# Allegro board RK3576_Template_LP5D315P132SD8_25x36_2400MHz_H1R6_V11_20240530YWQ.brd (continued)
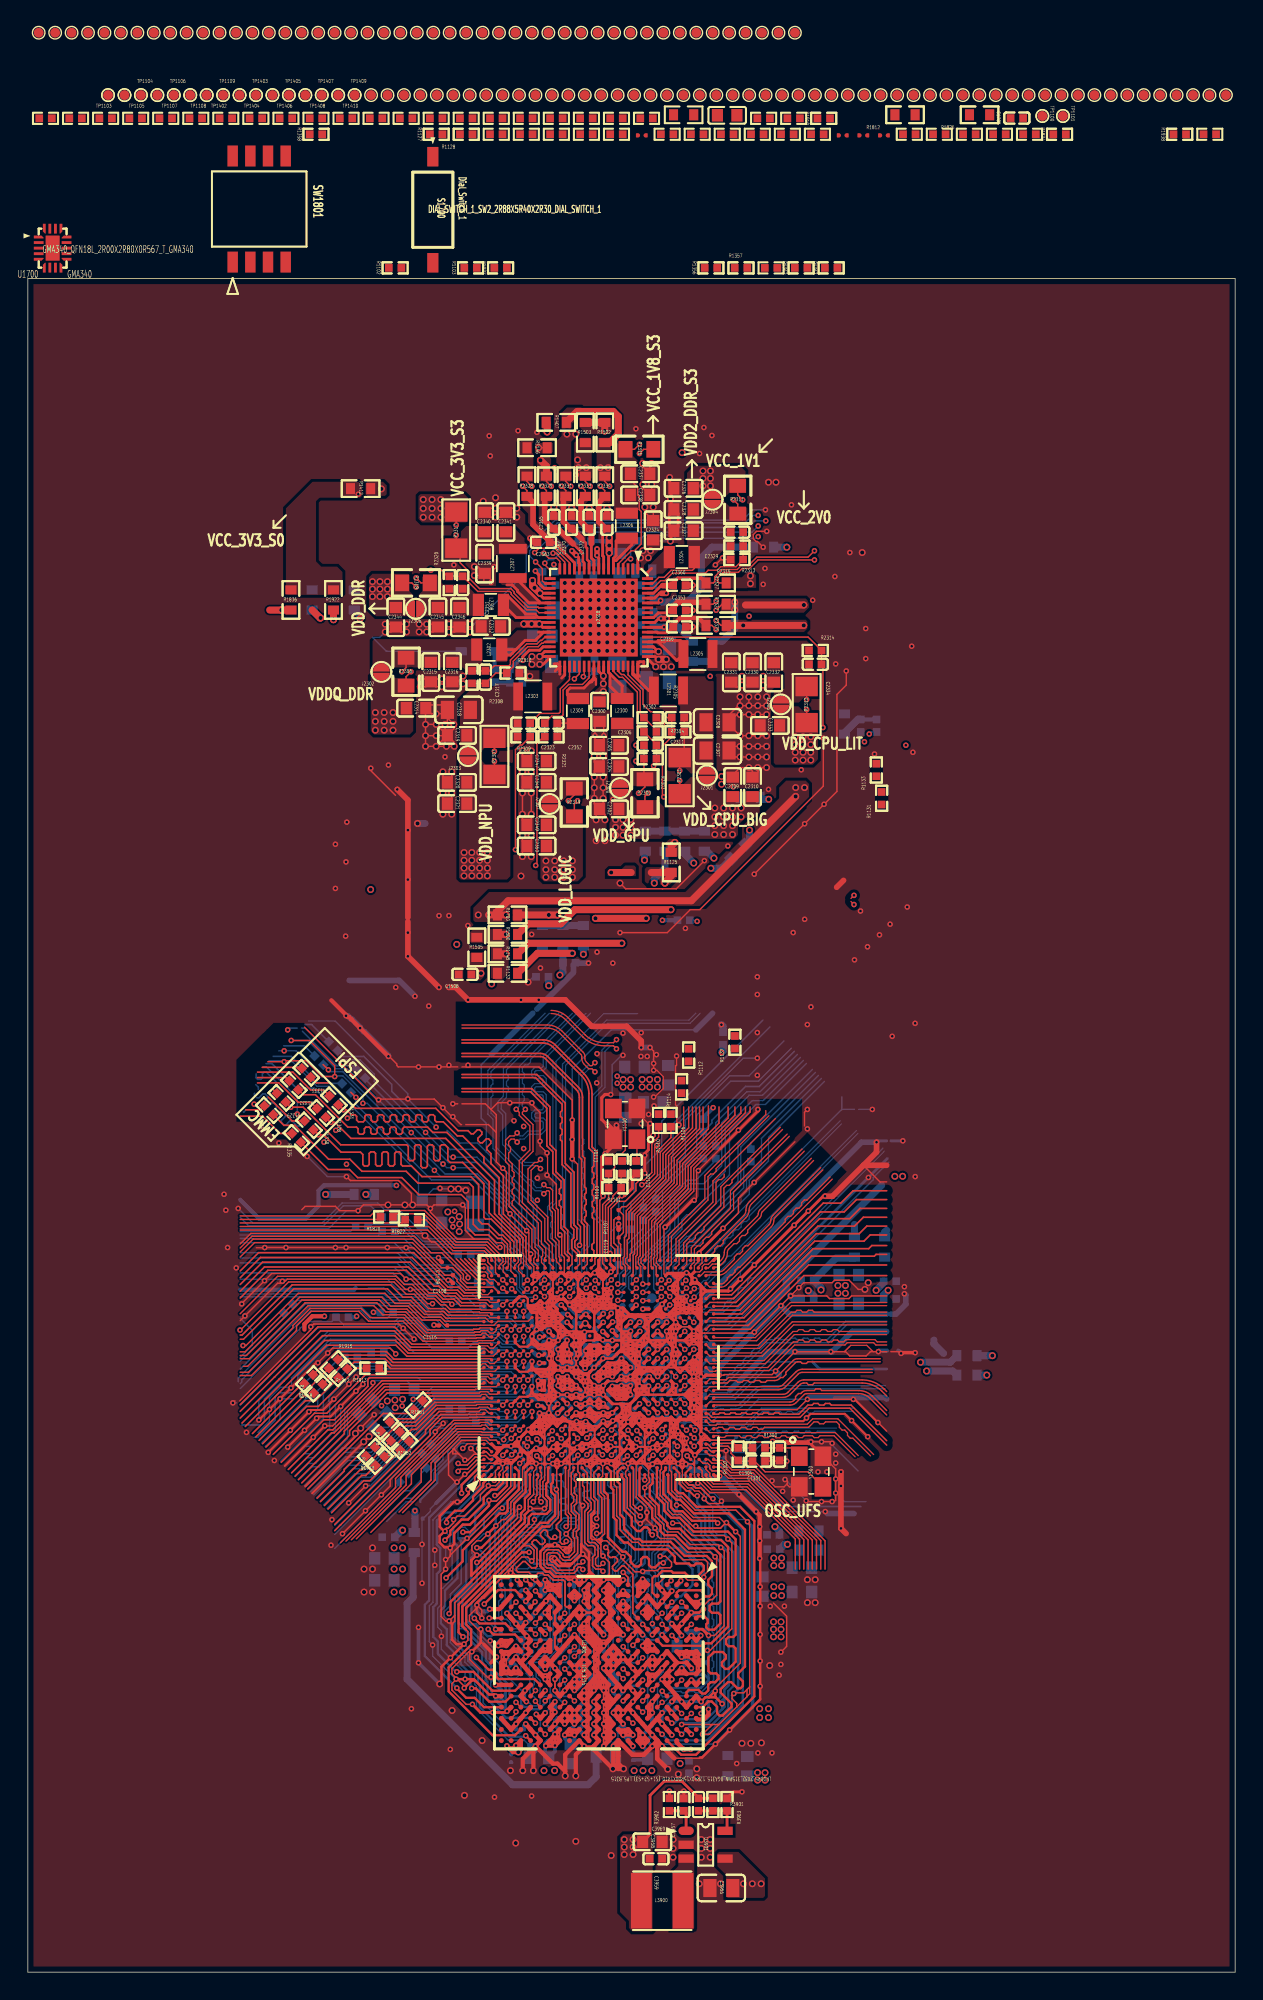
[diagram p0: board, top side]
## Routing (per net, layer and track width the routed paths; a pad name or vN(x,y) marks a point on that pad's centre or on a via; arc(x,y) is an arc through that point) (continued)
VCC5V0_SYS_S5: length 20
  TOP w0.203: 44.14,100.81 U2300.1 43.82,101.47 43.95,101.6 v2(44.02,101.6) ; U2300.33 37.12,94.86 v2(36.77,94.51) U2300.34 37.52,94.44 37.03,93.95 ; U2300.53 45.28,94.86 ; v2(45.11,93.78) 45.11,93.78 44.52,94.36 U2300.52 45.08,94.51 ; 45.53,99.05 45.38,99.05 45.04,98.71 U2300.64 ; U2300.43 41.02,93.44 v2(41.35,93.12) ; 45.33,94.87 v2(45.31,94.87) 45.28,94.87 44.94,95.21 U2300.54 ; U2300.28 36.99,96.61 v2(36.75,96.85) 36.86,96.96 U2300.27 ; U2300.7 41.72,101.9 v2(41.77,101.95) ; 41.37,92.91 U2300.44 ; U2300.21 36.8,99.06 v2(36.79,99.06) 36.79,98.94 37.03,98.71 U2300.22
  TOP w0.406: v1(45.87,99.05) 45.53,99.05
  TOP w0.508: v2(36.79,99.06) 36.79,99.06 v2(36.4,99.44) 36.4,99.44 36.26,99.59 v2(36.26,99.97) ; v2(36.75,96.85) v2(36.19,96.85) v2(35.63,96.85) ; v2(41.77,103.05) v2(41.77,102.49) v2(41.77,101.95) ; 45.79,94.31 45.28,94.31
  BOTTOM w0.305: v2(41.77,102.49) 41.45,102.81 R2324.1 ; 36.81,93.91 v2(36.77,93.95)
  vias: v2(36.22,94.51) v2(36.22,93.95) v2(41.35,92.56) v2(41.35,92) v2(44.19,102.12) v2(44.58,101.6) v2(44.74,102.12) v2(45.31,94.31) v2(45.67,93.78) v2(45.87,94.31) v2(46.23,93.78) v2(51.41,6.35) v2(52.05,6.35) v2(52.68,6.35)
VCC_1V1_NLDO_S3: length 3
  TOP w0.203: v1(40.89,101.78) 40.89,101.7 41.02,101.57 U2300.9 ; v1(39.4,101.79) 39.58,101.62 39.58,101.24 39.62,101.2 U2300.13
  TOP w0.381: v1(40.89,101.78) v1(40.89,102.23) ; v1(39.4,101.79) v1(39.09,102.11)
VCC_1V8_S3: length 31.2
  TOP w0.102: v1(43.94,109.09) 44.25,109.4 R2316.1
  TOP w0.508: v2(46.48,81.15) 46.23,80.9 R1125.2
  L4-SIG w0.508: v2(46.48,81.15) 46.86,81.53 46.86,84.78 45.85,85.79 45.85,86.74 47.24,88.14 47.24,95.26 47.05,95.45 47.05,109.11 v2(47,109.16)
  vias: v2(52.43,14.33) v2(52.43,13.79) v2(52.97,14.33) v2(52.97,13.79)
VCC_1V8_S3_P: length 8.3
  TOP w0.102: U2300.5 42.42,101.17 43.35,102.11 43.58,102.11 44.07,102.6 44.07,104.93 43.92,105.07 43.92,106.01 43.81,106.12 43.81,106.66 43.54,106.93 ; v1(43.94,109.75) 43.58,109.4 R2316.2
VCC_2V0_PLDO_S3: length 2.7
  TOP w0.203: v1(45.49,97.24) 45.32,97.24 45.04,96.96 U2300.59
  TOP w0.406: v1(45.94,97.24) v1(45.49,97.24)
  BOTTOM w0.406: v1(45.94,97.24) v1(45.49,97.24) 45.49,97.27 45.03,97.73 C2354.1
VCC_3V3_S0:
  vias: v1(23.75,106.17)
VCC_3V3_S3: length 1.5
  TOP w0.102: R2317.2 v1(30.78,103.95)
  TOP w0.203: R3902.1 v1(46.09,13.01)
  vias: v2(28.41,105.78) v2(28.41,105.15) v2(28.41,104.51) v2(29.04,105.78) v2(29.04,105.15) v2(29.04,104.51) v2(29.68,105.78) v2(29.68,105.15) v2(29.68,104.51)
VCC_3V3_S3_P: length 10.5
  TOP w0.102: R2317.1 v1(30.78,103.23) ; 31.06,102.66 31.06,101.25 31.68,100.63 31.68,100.16 32.45,99.39 34.7,99.39 34.93,99.16 34.93,99.06 35.93,98.07 36.65,98.07 36.71,98.01 36.71,98.01 U2300.24
VCCA1V8_PLDO2_S0: length 4.5
  TOP w0.203: v1(45.71,96.62) 45.7,96.61 U2300.58
  BOTTOM w0.508: C2355.1 45.1,96.62 v1(45.71,96.62) 46.75,96.62 R1147.2
VCCA1V8_PLDO6_S3: length 27.8
  TOP w0.203: U2300.20 37.08,99.41 36.71,99.78 36.71,100.37 36.47,100.62 v1(36.47,100.65)
  TOP w0.508: 43.34,78.99 v2(41.91,78.99)
  L4-SIG w0.508: v1(36.47,100.65) 37.97,99.14 37.97,82.93 v2(41.91,78.99)
  BOTTOM w0.406: v1(36.47,100.65) 36.95,100.65 C2357.1
VCCA_1V8_S0: length 23
  TOP w0.102: v1(49.45,97.84) 49.89,98.27 R2322.2
  TOP w0.508: 51.56,98.21 v2(55.75,98.21)
  L4-SIG w0.508: v2(50.79,98.42) v2(50.79,97.87) 50.79,96 48.6,93.82
  BOTTOM w0.508: v2(50.79,98.42) v2(50.79,97.87) 50.79,96.51 49.89,95.61 49.08,95.61 ; R1507.2 R1701.2 R1136.1 ; R1324.2 v2(68.9,42.89) ; R1119.1 R1501.2 R1602.2 R1506.2 ; R1409.2 61.56,53.15 61.7,53.3
  vias: v2(49.84,85.9) v2(49.84,85.34)
VCCA_1V8_S0_P: length 5.7
  TOP w0.102: v1(49.45,98.5) 49.23,98.27 R2322.1
  TOP w0.203: 46.1,97.83 45.92,97.65 45.3,97.65 44.96,97.31 U2300.60
  TOP w0.406: 46.1,97.83 C2353.1 46.37,98.06 46.71,98.41 48.59,98.41 R2322.1
VCCA_3V3_S0: length 51.9
  L4-SIG w0.508: 61.7,54.4 58.19,57.92 58.19,76.26 54.53,79.92 v2(54.53,102.36)
  BOTTOM w0.508: v2(54.53,102.36) 54.52,102.37 R2326.2
VCCA_3V3_S0_P: length 11.2
  TOP w0.203: v1(45.46,98.53) 45.29,98.36 U2300.63
  BOTTOM w0.406: C2358.1 44.99,98.68 45.14,98.53 v1(45.46,98.53)
  BOTTOM w0.508: R2326.1 49.15,102.37 48.39,101.6 48.39,99.44 47.37,98.42 45.56,98.42 v1(45.46,98.53)
VCCIO0_1V8: length 44.4
  TOP w0.203: U1000.1J20 v1(38.32,47.93)
  L4-SIG w0.203: 37.85,50.76 37.85,48.4 v1(38.32,47.93)
  L4-SIG w0.508: 37.85,50.76 37.85,51.3 36.58,52.58 36.58,54.19 35.43,55.34 35.43,57.28 33.99,58.72 33.99,71.19 32.81,72.36 32.28,72.36 v2(30.82,73.83) 28.7,75.95 28.7,86.38
  BOTTOM w0.305: v1(38.32,47.93) 38.3,47.92 C1308.1
  BOTTOM w0.508: R1346.1 23.88,97.43 v2(23.88,97.24)
VCCIO1: length 21.8
  TOP w0.203: U1000.2A8 37.03,44.32 v1(36.71,44.32)
  L4-SIG w0.178: v1(36.71,44.32) 36.62,44.32 36.24,44.7 32.68,44.7
  L4-SIG w0.508: v2(24.28,55.87) 24.28,50.59 30.17,44.7 32.68,44.7
  BOTTOM w0.305: v1(36.71,44.32) 36.54,44.32 C1309.1
  BOTTOM w0.508: v2(24.28,55.87) R1354.1
VCCIO2: length 20.8
  TOP w0.203: v1(36.64,40.7) 36.66,40.68 36.95,40.68 U1000.2A2
  L4-SIG w0.178: 33.4,40.89 33.64,41.14 36.18,41.14 36.61,40.7 v1(36.64,40.7)
  L4-SIG w0.508: 33.4,40.89 29.67,40.89 27.18,38.41 27.18,34.54 23.62,30.99
  BOTTOM w0.305: C1800.1 36.96,40.68 36.66,40.68 v1(36.64,40.7)
VCCIO3: length 41.7
  TOP w0.229: U1000.2B10 37.73,45.71 37.45,45.99 v1(37.45,46.03)
  L4-SIG w0.089: 37.08,45.3 37.12,45.34 37.12,45.71 v1(37.45,46.03) U1000.2B10 37.77,45.25 37.52,45 36.79,45
  L4-SIG w0.178: 32.83,45.4 33.25,44.98 36.77,44.98 37.08,45.3
  L4-SIG w0.508: 32.83,45.4 31.05,45.4 29.19,47.26 28.48,47.26 24.89,50.85 24.89,56.39 25.8,57.29 25.8,64.5 25.27,65.03 25.27,73.42
  BOTTOM w0.305: v1(37.45,46.03) 37.45,46.11 C1801.1
VCCIO4: length 73
  TOP w0.203: v1(36.76,43.76) U1000.2A7
  TOP w0.508: R1922.1 v2(21.96,97.16)
  L4-SIG w0.102: v1(36.76,43.76) 36.47,43.47 33.88,43.47 33.85,43.5
  L4-SIG w0.508: v2(21.96,97.16) 21.96,89.49 23.75,87.71 23.75,86.36 24.63,85.48 v2(24.63,77.77) 24.63,57.08 23.62,56.07 23.62,55.38 20.7,52.46 20.7,49.61 23.19,47.12 v1(23.62,47.12) 24.54,47.12 v1(24.83,47.4) 25.37,46.86 27.14,46.86 30.51,43.5 33.85,43.5
  BOTTOM w0.305: v1(24.83,47.4) 24.84,47.4 R1917.1 ; v1(23.62,47.12) 23.55,47.05 R1916.1 ; C1900.1 36.76,43.74 v1(36.76,43.76) 36.77,43.75 C1901.1
  BOTTOM w0.508: R1922.1 v2(21.96,97.16)
VCCIO5: length 79.2
  TOP w0.229: U1000.2A5 36.76,42.1 v1(36.76,41.96) ; U1000.2A5 37.12,42.32 37.1,42.29 37.1,41.83 U1000.2A4 36.91,41.81 v1(36.76,41.96) ; U1000.2A5 37.1,42.48 v1(36.66,42.48) 36.66,42.05 v1(36.76,41.96)
  TOP w0.305: v1(21.31,47.12) 20.44,47.12 19.87,46.55 19.87,46.16
  TOP w0.508: R1937.1 21,97.28 v2(21.03,97.28)
  L4-SIG w0.305: 28.65,42.99 36.15,42.99 v1(36.66,42.48)
  L4-SIG w0.508: v2(21.03,97.28) 21.03,88.44 22.58,86.89 22.58,83.97 23.62,82.93 23.62,68.58 22.99,67.94 22.99,62.64 23.88,61.75 23.88,57.19 22.99,56.3 22.99,55.61 20.09,52.71 20.09,48.34 v1(21.31,47.12) 22.83,45.6 26.04,45.6 28.65,42.99
  BOTTOM w0.305: C1902.1 36.86,42.68 v1(36.66,42.48) 36.66,42.05 v1(36.76,41.96) 36.76,41.91 C1903.1
  BOTTOM w0.508: v2(21.03,97.28) 21,97.28 R1937.1
VCCIO6: length 23.1
  TOP w0.229: U1000.2N3 v1(45.25,40.83)
  TOP w0.508: 17.38,97.85 v2(18.21,97.85) R1836.1
  L4-SIG w0.203: v1(45.25,40.83) 45.63,41.22 47.64,41.22 47.71,41.29 48.24,41.29 48.51,41.02 51.82,41.02
  L4-SIG w0.508: 61.7,48.02 58.6,44.91 58.6,44.5 57.23,43.13 57.2,43.13 55.09,41.02 51.82,41.02
  BOTTOM w0.229: v1(45.25,40.83) 45.5,41.09 C1802.1
  BOTTOM w0.508: R1836.1 v2(18.21,97.85)
VCCIO7_VCC: length 34.2
  TOP w0.229: U1000.2M3 v1(44.6,40.83)
  L4-SIG w0.089: 46.22,40.05 46.04,39.86 ; 46.22,40.05 46.41,39.86 ; 46.22,40.05 46.22,40.05 ; 46.04,39.86 46.23,39.86 ; 46.04,39.86 45.76,39.86 45.73,39.89 ; 46.99,40.51 46.86,40.38 ; 46.99,40.51 47.33,40.51 ; 46.99,40.51 46.86,40.51 ; 46.86,40.38 46.86,40.51 ; 46.86,40.38 46.86,40.33 ; 46.23,39.86 46.23,40.04 46.22,40.05 ; 46.23,39.86 46.41,39.86 ; 45.73,39.89 45.69,39.85 44.98,39.85 44.92,39.92 44.92,40.51 44.92,40.51 45.57,40.51 ; 45.73,39.89 45.57,40.05 45.57,40.51 ; 46.86,39.99 46.86,40.04 ; 46.86,39.99 46.86,39.86 ; 46.86,39.99 46.99,39.86 ; 46.86,40.04 46.87,40.05 46.87,40.32 46.86,40.33 ; 46.86,40.04 46.68,39.86 ; 46.23,40.51 46.35,40.51 ; 46.23,40.51 46.1,40.51 ; 46.23,40.51 46.23,40.32 46.22,40.32 ; 46.35,40.51 46.22,40.38 ; 46.35,40.51 46.68,40.51 ; 45.57,40.51 46.1,40.51 ; 46.41,39.86 46.68,39.86 ; 46.86,39.86 46.99,39.86 ; 46.86,39.86 46.68,39.86 ; 46.99,39.86 47.33,39.86 ; 47.33,39.86 47.62,39.86 ; 47.33,39.86 47.52,40.05 ; 47.62,39.86 47.52,39.96 47.52,40.05 ; 47.62,39.86 47.99,39.86 48.39,40.26 ; 46.1,40.51 46.22,40.39 46.22,40.38 ; 48.51,40.39 48.31,40.59 47.74,40.59 47.67,40.51 47.52,40.51 ; 46.86,40.33 46.68,40.51 ; 46.68,40.51 46.86,40.51 ; 47.33,40.51 47.52,40.32 ; 47.33,40.51 47.52,40.51 47.52,40.51 ; 47.52,40.32 47.52,40.51 ; 47.52,40.32 47.52,40.05 ; 46.22,40.38 46.22,40.32 ; 46.22,40.32 46.22,40.05
  L4-SIG w0.102: 48.39,40.26 48.51,40.39 49.73,40.39
  L4-SIG w0.33: v1(44.6,40.83) 44.92,40.51
  L4-SIG w0.508: 61.7,43.81 59.56,43.81 56.13,40.39 49.73,40.39 ; v2(64.14,43.81) 62.01,43.81
  BOTTOM w0.305: v1(44.6,40.83) 44.6,40.94 C1300.1
  BOTTOM w0.508: R1308.1 66.27,43.81 v2(64.14,43.81)
VCCIO_SD_S0: length 40.2
  TOP w0.102: R2327.2 49.65,99.79 49.55,99.9 49.55,100.16 49.95,100.56 51.05,100.56 51.33,100.84 51.85,100.84 52.46,101.45 v1(56.52,101.45)
  L4-SIG w0.508: 15.26,42.44 17.65,44.83 17.65,52.19 21.34,55.87 v2(21.39,55.87) 21.39,55.93 21.49,56.02 21.49,58.53 20.19,59.82 20.19,68.48 ; v2(51.91,99.74) v2(51.91,100.3)
  BOTTOM w0.508: v2(21.39,55.87) 21.39,55.87 R1354.2
VCCIO_SD_S0_P: length 13.8
  TOP w0.102: v1(56.52,102.11) 56.06,101.65 52.37,101.65 51.77,101.04 51.24,101.04 50.96,100.76 49.87,100.76 49.35,100.24 49.35,99.9 49.25,99.79 R2327.1
  TOP w0.203: U2300.65 44.96,99.06 45.5,99.6 45.61,99.6
  TOP w0.254: R2327.1 48.39,100.13 46.7,100.13 46.37,99.8 C2360.1
  TOP w0.406: 46.37,99.6 45.61,99.6
VDD1_1V8_DDR_S3: length 48.5
  TOP w0.305: U3900.C1 v1(46.91,28.13) ; 34.6,16.07 v1(34.42,16.26) ; 34.6,16.07 34.86,15.81 35.24,15.81 v2(35.24,15.81) 35.42,16 U3900.W15 v1(35.07,16.28) 34.86,16.07 34.6,16.07 ; v1(47.63,16.01) v1(47.12,16.01) 46.62,16.51 U3900.C15 ; v1(35.17,28.18) 35.42,27.93 U3900.W1
  TOP w0.406: v1(35.07,16.28) 35.07,16.01 35.21,15.87 35.21,15.84 v2(35.24,15.81)
  L4-SIG w0.089: 34.16,20.07 35.18,21.08 35.18,21.48 35.4,21.7 35.4,24.17 34.8,24.76 34.8,24.85 34.75,24.9 34.75,27.76 v1(35.17,28.18) ; v1(35.07,16.28) 34.75,16.61 34.75,17.96 34.32,18.39 34.28,18.39 34.16,18.51
  L4-SIG w0.102: 34.16,20.07 34.08,19.98 34.08,18.6 34.16,18.51
  L4-SIG w0.508: v1(47.12,16.01) v1(47.63,16.01) 48.18,16.01 50.44,18.27 50.44,19.51 50.04,19.92 50.04,26.11 48.02,28.13 v1(46.91,28.13)
  L6-SIG w0.508: v2(35.24,15.81) 35.26,15.81 35.67,15.41 46.52,15.41 v1(47.12,16.01)
  BOTTOM w0.254: v1(35.17,28.18) 35.27,28.08 C3905.1
  BOTTOM w0.305: C3903.1 46.91,28.02 v1(46.91,28.13)
  vias: v2(46.86,14.99)
VDD2_DDR_S3_P: length 5.7
  TOP w0.102: L2304.1 47.89,100.85 47.74,100.7 46.22,100.7 45.72,100.2 45.34,100.2 44.9,99.76 U2300.67 ; R2311.2 51,105.46 v1(50.7,105.77)
VDD2H_DDR_S3: length 174.1
  TOP w0.102: R2311.1 51,106.12 v1(51.36,105.77)
  TOP w0.127: 37.5,21.41 37.5,20.66 U3900.T10 ; 37.5,21.41 36.85,21.41 U3900.U9 ; 37.5,21.41 U3900.T9 ; U3900.L7 U3900.L8 41,22.21 41,21.46 U3900.L9 ; 41.37,21.03 v1(41.37,16.23) ; U3900.K3 41.75,26.21 41.75,25.46 U3900.K4 ; U3900.M3 U3900.M2 U3900.M1 ; U3900.N5 U3900.M5 U3900.M4 ; U3900.K13 41.7,18.26 41.7,19.01 U3900.K12 ; U3900.A8 48.05,22.21 48.05,21.46 U3900.A9 ; U3900.K10 U3900.K11 ; v1(34.37,22.63) v1(34.37,21.83) ; v1(39.97,27.43) v1(39.97,26.63) ; 40.67,23.43 40.67,21.03 ; U3900.M15 40.3,16.66 40.3,17.41 U3900.M14 40.3,17.46 40.3,18.21 U3900.M13 40.3,18.26 40.3,19.01 U3900.M12 40.3,19.06 40.3,19.81 U3900.M11 ; 44.55,21.41 44.55,20.66 U3900.F10 ; U3900.AA8 U3900.AA7 ; U3900.K5 41.78,24.57 41.78,23.9 U3900.K6 U3900.L6
  TOP w0.203: U3900.B9 U3900.A9
  TOP w0.229: U3900.W7 U3900.Y7 U3900.AA7 ; U3900.E9 45.2,21.41 44.55,21.41 U3900.F9 ; v1(48.37,21.83) v1(48.37,22.63) v1(47.67,22.63) v1(46.97,22.63) ; U3900.L7 U3900.L6 U3900.M6 U3900.M5 ; 42.07,24.23 v1(42.77,24.23) ; U3900.K4 U3900.K5 U3900.J5 ; U3900.K15 U3900.K14 U3900.K13 ; v1(44.17,23.43) v1(44.87,23.43) ; U3900.B9 U3900.C9 ; U3900.W9 U3900.Y9 U3900.AA9 ; U3900.A7 U3900.B7 U3900.C7 ; U3900.E7 45.2,23.06 44.55,23.06 U3900.F7 ; U3900.M11 U3900.M10 ; U3900.T7 U3900.U7 ; 40.67,23.43 40.67,24.23 ; U3900.K1 U3900.K2 U3900.K3 ; U3900.L9 U3900.L10 ; 40.67,21.03 v1(40.67,20.23) ; U3900.K12 U3900.K11
  TOP w0.305: v1(37.17,23.43) U3900.T7 U3900.T6 v1(37.17,23.43) ; v1(37.17,23.43) U3900.U7 ; v1(37.17,21.03) U3900.U9 36.55,21.76 U3900.V8 ; v1(37.17,21.03) U3900.T10 ; v1(37.17,21.03) U3900.T9 ; U3900.F10 v1(44.87,21.03)
  TOP w0.33: U3900.K15 v1(41.37,16.23) ; U3900.K15 v1(42.07,17.03) U3900.K14 ; U3900.K15 v1(41.37,17.03) U3900.K14 ; U3900.K4 v1(41.37,25.03) U3900.K5 ; U3900.K4 42.07,25.83 U3900.K3 ; U3900.K4 42.07,25.03 ; v1(34.37,21.83) U3900.AA9 U3900.AA8 ; v1(34.37,21.83) U3900.AA8 ; v1(34.37,21.83) U3900.Y9 v1(35.07,21.83) U3900.W9 ; 40.67,24.23 U3900.M5 ; 40.67,24.23 U3900.M6 ; 40.67,24.23 U3900.L6 ; U3900.M5 v1(39.97,25.03) ; U3900.M5 v1(39.97,24.23) ; 42.07,24.23 U3900.K6 v1(41.37,23.43) ; 42.07,24.23 U3900.J5 ; 42.07,24.23 U3900.K5 ; U3900.A8 v1(48.37,21.83) U3900.A9 ; U3900.A8 v1(47.67,22.63) ; U3900.A8 v1(48.37,22.63) U3900.A7 v1(47.67,22.63) ; U3900.M4 v1(39.97,25.03) ; v1(39.97,25.03) U3900.N5 v1(39.97,24.23) ; 41.37,21.03 U3900.L10 ; 41.37,21.03 U3900.L9 ; 41.37,21.03 U3900.K10 v1(41.37,20.23) ; U3900.L10 40.67,21.03 ; U3900.L10 v1(41.37,20.23) ; U3900.L10 v1(40.67,20.23) ; U3900.K3 v1(41.37,26.63) U3900.K2 ; U3900.K3 42.07,26.63 U3900.K2 ; U3900.K11 v1(41.37,20.23) ; U3900.K11 42.07,19.43 ; U3900.K11 v1(41.37,19.43) U3900.K12 ; U3900.K13 v1(41.37,17.83) U3900.K14 ; U3900.K13 42.07,17.83 U3900.K14 ; U3900.K13 v1(41.37,18.63) U3900.K12 ; U3900.F9 v1(44.87,21.03) U3900.E9 v1(45.57,21.83) U3900.D8 ; U3900.M1 v1(39.97,27.43) U3900.M2 v1(39.97,26.63) U3900.M3 ; U3900.B9 v1(46.97,21.83) U3900.C9 ; v1(47.67,22.63) U3900.B7 v1(46.97,22.63) U3900.C7 ; 42.07,19.43 U3900.J11 ; 42.07,19.43 U3900.K12 ; U3900.K2 v1(41.37,27.43) U3900.K1 42.07,27.43 U3900.K2 ; U3900.W7 35.09,23.41 v1(35.07,23.41) 35.05,23.41 U3900.Y7 v1(34.37,22.63) ; 42.07,25.03 U3900.J5 ; 42.07,25.03 U3900.K5 ; U3900.J5 v1(42.77,24.23) ; 40.67,21.03 U3900.M10 ; 40.67,21.03 U3900.L9 ; v1(41.37,23.43) U3900.L6 ; v1(41.37,23.43) U3900.L7 ; U3900.L6 40.67,23.43 ; v1(44.87,23.43) U3900.F7 v1(44.17,23.43) U3900.F6 v1(44.87,23.43) ; v1(44.87,23.43) U3900.E7 ; U3900.AA8 v1(34.37,22.63) ; v1(39.97,24.23) U3900.M6 ; U3900.M6 40.67,23.43 ; v1(39.97,19.43) U3900.N11 v1(39.97,20.23) ; v1(39.97,19.43) U3900.M11 ; v1(39.97,19.43) U3900.M12 v1(39.97,18.63) U3900.M13 v1(39.97,17.83) U3900.M14 v1(39.97,17.03) U3900.M15 ; U3900.M10 v1(39.97,20.23) ; U3900.M10 v1(40.67,20.23) ; v1(39.97,20.23) U3900.M11 ; U3900.L9 40.67,21.83 U3900.L8 40.67,22.63 U3900.L7 ; v1(40.67,20.23) U3900.M11 ; U3900.AA7 v1(34.37,22.63) ; 40.67,23.43 U3900.L7 ; U3900.U7 U3900.V8
  L3-POWER w0.33: v1(41.37,27.43) v1(41.37,26.63)
  BOTTOM w0.254: v1(39.97,27.43) 39.97,27.54 40.29,27.86 ; v1(39.97,27.43) v1(39.97,26.63) 40.06,26.63 C3946.1 40.29,27.12 ; v1(39.97,27.43) 40.29,27.12 ; v1(46.97,22.63) 47.19,22.42 C3950.1 ; v1(45.57,21.83) 45.57,21.61 C3951.1 44.99,21.03 v1(44.87,21.03) ; C3950.1 47.19,22.05 v1(46.97,21.83) ; C3950.1 47.27,22.23 v1(47.67,22.63) 47.67,23.04 C3928.1 48.37,23.08 v1(48.37,22.63) 48.37,22.47 C3938.1 48.37,22.01 v1(48.37,21.83) ; v1(41.37,25.03) 41.61,25.27 C3933.1 ; C3931.1 34.77,22.23 v1(34.37,22.63) 34.77,23.03 C3947.1 34.85,23.19 v1(35.07,23.41) ; C3931.1 35.07,22.02 v1(35.07,21.83) ; C3931.1 34.45,21.83 v1(34.37,21.83) ; 40.29,27.86 C3945.1 ; 40.29,27.86 40.29,27.12 ; v1(42.77,24.23) 42.6,24.06 C3935.1 ; C3942.1 44.87,23.29 v1(44.87,23.43) ; C3954.1 37.17,21.05 v1(37.17,21.03) ; C3948.1 40.2,24.81 v1(39.97,25.03) v1(39.97,24.23) 40.29,24.55 C3948.1
  BOTTOM w0.305: C3929.1 41.38,16.23 v1(41.37,16.23) ; C3929.1 41.45,17.03 41.39,17.03 ; C3929.1 41.81,16.78 v1(42.07,17.03) 41.81,17.29 C3940.1 ; C3940.1 41.75,17.46 v1(41.37,17.83) 41.45,17.83 C3937.1 41.81,18.2 v1(41.37,18.63) 41.37,18.67 C3952.1 41.72,19.08 v1(41.37,19.43) 41.68,19.74 C3932.1 ; C3940.1 41.39,17.03 ; C3944.1 36.77,23.11 37.09,23.43 v1(37.17,23.43) ; v1(41.37,23.43) 41.36,23.42 C3930.1 ; v1(39.97,18.63) 39.99,18.63 C3941.1 40.04,19.43 v1(39.97,19.43) 39.59,19.06 C3939.1 39.93,18.63 v1(39.97,18.63) ; v1(39.97,18.63) 39.61,18.27 C3936.1 39.97,17.89 v1(39.97,17.83) ; v1(39.97,18.63) 40.33,18.27 C3953.1 40.39,18.25 v1(39.97,17.83) ; v1(41.37,17.03) 41.39,17.03 ; v1(39.97,17.83) 40.35,17.46 C3943.1 39.97,17.04 v1(39.97,17.03) 39.59,17.41 C3934.1 39.63,17.5 v1(39.97,17.83) ; v1(46.97,21.83) 47.19,21.62 C3955.1
  BOTTOM w0.508: R3906.1 27.69,30.06 27.69,26.92 27.25,26.48 27.25,21.05 34.83,13.46 40.26,13.46 40.83,14.03 C3927.1
  vias: v2(48.5,107.84) v2(48.5,107.3) v2(48.5,106.77) v2(49.04,107.84) v2(49.04,107.3) v2(49.04,106.77) v2(53.57,25.16) v2(53.57,24.63) v2(53.57,24.09) v2(54.11,25.16) v2(54.11,24.63) v2(54.11,24.09)
VDD2L_0V9_DDR_S3: length 34.2
  TOP w0.127: U3900.P2 U3900.N2
  TOP w0.203: R3901.1 C3957.1 48.18,12.52 46.99,13.72 45.72,13.72 44.7,12.7 44.7,9.89 C3958.1 44.17,9.11
  TOP w0.229: U3900.AA6 U3900.Y6 ; U3900.J14 42.45,17.41 43.1,17.41 U3900.H14 ; 42.45,27.06 43.1,27.06 ; v1(33.8,23.46) 33.82,23.43 34.37,23.43 ; U3900.N14 39.6,17.41 38.95,17.41 U3900.P14 ; v1(39.27,17.03) v1(38.57,17.03) ; v1(42.77,17.03) v1(43.47,17.03)
  TOP w0.305: U3900.Y10 U3900.AA10 v1(33.61,20.63) ; v1(48.35,24.18) 48.35,24.16 U3900.A6 v1(47.67,24.18) U3900.B6 ; U3900.H2 v1(42.77,27.38) U3900.J2 ; 39.27,27.38 U3900.N2 v1(39.27,26.68) U3900.P2 39.27,27.38
  TOP w0.33: U3900.B10 v1(47.67,20.98) U3900.A10 v1(48.37,20.98) ; U3900.Y6 34.37,23.43 U3900.AA6 33.79,23.57 v1(33.8,23.46) ; v1(38.57,17.03) U3900.P14 v1(39.27,17.03) U3900.N14 ; v1(43.47,17.03) U3900.H14 v1(42.77,17.03) U3900.J14
  BOTTOM w0.254: 48.07,24.54 C3964.1 47.62,24.18 v1(47.67,24.18) ; v1(47.67,20.98) 47.79,20.98 C3962.1 48.22,20.98 v1(48.37,20.98) ; v1(43.47,17.03) 43.23,16.79 C3961.1 43.01,16.79 v1(42.77,17.03) ; C3967.1 v1(33.61,20.63) ; C3966.1 43.14,27.38 v1(42.77,27.38) ; v1(39.27,17.03) 39.27,16.63 C3960.1 38.57,16.82 v1(38.57,17.03)
  BOTTOM w0.305: v1(48.35,24.18) 48.1,24.43 C3963.1 47.72,24.18 v1(47.67,24.18) ; C3968.1 33.8,23.67 v1(33.8,23.46) ; C3965.1 39.23,26.72 v1(39.27,26.68)
  vias: v2(42.85,9.52) v2(42.85,8.99) v2(42.85,8.45) v2(43.48,9.52) v2(43.48,8.99) v2(43.48,8.45)
VDD_0V75_S3: length 0.9
  TOP w0.102: v1(36.21,106.74) 35.86,107.09 R2328.2
VDD_0V75_S3_P: length 7.6
  TOP w0.102: R2328.1 35.86,106.43 v1(35.55,106.74)
  TOP w0.203: U2300.14 39.27,101.25 37.8,102.71 C2363.1
  TOP w0.406: R2328.1 36.3,105.58 36.3,104 37.5,102.79 C2363.1
VDD_CPU_BIG_S0: length 122.4
  TOP w0.102: v1(45.69,84.43) 45.59,84.52 45.59,88.07 46.26,88.73 R2304.2 C2311.2 45.93,90.12 45.5,90.55 44.73,90.55 44.2,91.08 44.2,92.12 43.12,93.2 U2300.49 ; R2301.2 v1(46.83,85.59)
  TOP w0.178: v1(42,42.78) 42,42.78 v1(41.35,42.78) ; v1(42,43.43) v1(42.65,43.43)
  TOP w0.203: U1000.2K7 42.65,43.43 ; U1000.2K7 v1(42.65,44.08) ; U1000.2K7 43.3,43.43
  TOP w0.229: v1(41.37,43.36) 41.42,43.36 U1000.2H6 ; v1(41.37,43.36) 41.37,43.46 ; v1(41.37,43.36) 41.27,43.36 U1000.2G6 ; v1(41.37,43.36) 41.45,43.43 v1(42,43.43) ; U1000.2H6 v1(42,43.43) ; U1000.2H6 v1(42,42.78) U1000.2J6 ; U1000.2H6 U1000.2J6 ; U1000.2H6 v1(41.35,42.78) ; v1(42,43.43) U1000.2J7 ; v1(42,43.43) U1000.2H7 ; v1(42,43.43) U1000.2J6 ; U1000.2J6 v1(42.65,43.43) ; v1(42.65,43.43) U1000.2J7 ; v1(42.65,43.43) U1000.2K6 v1(43.3,43.43) 42.65,43.43 v1(42.65,43.43) ; v1(40.7,42.78) v1(41.35,42.78) ; v1(40.7,42.78) U1000.2G5 v1(41.35,42.78) ; v1(40.7,42.78) U1000.2G6 ; v1(41.35,42.78) U1000.2G6 ; v1(41.35,42.78) 41.35,43.43 41.37,43.46 ; U1000.2H7 U1000.2J7 ; U1000.2H7 41.37,43.46 ; U1000.2J7 v1(42.65,44.08) ; U1000.2J7 U1000.2K7
  L3-POWER w0.089: v1(42,43.43) 41.67,43.76 41.67,45.52 41.91,45.76 42.13,45.76 42.73,46.36 42.73,49.58 42.67,49.63 42.67,50.55 ; v1(42,42.78) 41.63,42.42 ; 48.77,43.82 48.35,43.4 43.46,43.4 43.36,43.5 v1(43.3,43.43) ; 48.26,45.72 48.26,44.07 47.88,43.69 43.69,43.69 43.43,43.43 v1(43.3,43.43) ; v1(43.3,43.43) 43.3,43.43 ; 40.78,42.76 40.76,42.78 v1(40.7,42.78) 40.36,43.12 40.36,43.56 40.55,43.75 41.06,43.75
  L3-POWER w0.102: 48.77,43.82 52.83,47.88 52.83,59.82 53.34,60.32 53.34,83.31 52.32,84.33 45.79,84.33 v1(45.69,84.43)
  L3-POWER w0.305: v1(42,42.78) v1(42.65,43.43) 43.3,43.43
  L3-POWER w0.406: 40.68,42.68 40.76,42.76 40.78,42.76
  L6-SIG w0.089: v1(42,43.43) 41.67,43.76 41.67,45.52 41.91,45.76 42.13,45.76 42.73,46.36 42.73,49.58 42.67,49.63 42.67,50.55 ; v1(43.3,43.43) 43.3,43.43 ; v1(40.7,42.78) 40.36,43.12 40.36,43.56 40.55,43.75 41.06,43.75 ; 41.63,42.42 v1(42,42.78)
  L6-SIG w0.305: v1(42,42.78) v1(42.65,43.43) 43.3,43.43
  BOTTOM w0.152: v1(40.7,42.78) 40.7,42.78
  BOTTOM w0.305: 42,43.44 42,43.51 C1005.1 42.33,43.77 v1(42.65,44.08) 42.71,44.08 C1006.1 43.03,44.28 C1000.1 43.53,43.43 v1(43.3,43.43) 42.65,43.43 v1(42.65,43.43) v1(42,42.78) 41.77,43.01 C1002.1 ; 42,43.44 C1001.1 ; 42,43.44 v1(42,43.43) 42,43.34 C1002.1 ; v1(41.35,42.78) 41.02,42.46 C1003.1 40.7,42.78 ; v1(41.35,42.78) 41.04,43.09 C1004.1 41.01,43.09 v1(40.7,42.78) ; v1(41.35,42.78) 41.57,43.01 C1002.1
  vias: v2(44.14,64.13) v2(44.14,63.59) v2(44.67,64.13) v2(44.67,63.59) v2(45.23,64.13) v2(45.23,63.59) v2(49.36,83.63) v2(49.36,82.99) v2(49.36,82.36) v2(49.36,81.72) v2(49.99,83.63) v2(49.99,82.99) v2(49.99,82.36) v2(49.99,81.72) v2(50.63,83.63) v2(50.63,82.99) v2(50.63,82.36) v2(50.63,81.72) v2(51.24,83.63) v2(51.24,82.99)
VDD_CPU_BIG_S0_P: length 3.9
  TOP w0.102: v1(46.83,86.31) R2301.1 47.16,87.58 R2304.1 C2311.1
VDD_CPU_LIT_S0: length 144.7
  TOP w0.102: U2300.56 44.52,95.91 56.06,95.91 R2314.2 C2334.2 57.12,93.85 v1(57.12,89.41) ; R2312.2 v1(55.95,90.7)
  TOP w0.178: v1(42.65,42.13) v1(43.3,42.13) v1(43.3,41.48)
  TOP w0.229: 42,41.48 U1000.2J3 42.36,41.2 ; 42,41.48 41.99,41.49 ; 42,41.48 42.65,41.48 ; U1000.2K4 42.97,41.16 ; U1000.2K4 42.65,41.48 ; U1000.2K4 v1(43.3,42.13) ; U1000.2K4 U1000.2J4 ; U1000.2K4 v1(43.3,41.48) ; U1000.2K4 v1(42.65,42.13) ; 42.97,41.16 v1(43.3,41.48) ; 42.97,41.16 U1000.2K3 ; 42.05,42.08 v1(42,42.08) 41.95,42.08 U1000.2H4 ; 42.05,42.08 42.6,42.08 v1(42.65,42.13) ; 42.05,42.08 U1000.2J4 ; U1000.2K3 42.41,41.16 42.36,41.2 ; U1000.2K3 42.65,41.48 ; U1000.2H4 41.99,41.49 ; U1000.2H4 42.32,41.81 ; 41.99,41.49 42.32,41.81 ; 42.65,41.48 U1000.2J4 ; 42.65,41.48 42.65,41.48 ; U1000.2J4 42.32,41.81 ; U1000.2J4 v1(42.65,42.13) ; 42.65,41.48 v1(43.3,41.48) ; 42.65,41.48 42.36,41.2
  L3-POWER w0.089: 47.33,40.51 45.66,40.51 45.57,40.6 45.57,41.07 45.48,41.16 45,41.16 44.81,41.35 43.43,41.35 v1(43.3,41.48) ; 47.33,40.51 47.62,40.51 47.7,40.58 48.01,40.58 48.45,40.14 48.77,40.14 ; 47.33,40.51 47.52,40.7 47.52,41.3 47.75,41.53 ; 43.57,43.11 43.16,43.11 42.97,42.92 42.97,42.45 v1(42.65,42.13) ; 43.62,43.11 48.77,43.11
  L3-POWER w0.102: 48.77,40.14 53.67,40.14 55.72,42.19 56.27,42.19 59.28,45.2 59.28,65.63 63.94,70.29 63.94,86.11 60.64,89.41 v1(57.12,89.41) ; 43.57,43.11 43.62,43.11 ; 43.5,43.11 43.59,43.2 48.57,43.2 53.47,48.1 53.47,50.55
  L3-POWER w0.33: v1(42,42.08) 42.6,42.08 v1(42.65,42.13) v1(43.3,41.48)
  L6-SIG w0.089: v1(43.3,41.48) 43.43,41.35 44.81,41.35 45,41.16 45.48,41.16 45.57,41.07 45.57,40.6 45.66,40.51 ; 48.51,40.89 48.2,40.58 47.7,40.58 47.62,40.51 47.33,40.51 ; 44.83,40.51 44.83,40.51 45.66,40.51 ; 47.33,40.51 45.66,40.51 ; 47.33,40.51 47.52,40.7 47.52,41.3 47.75,41.53 ; v1(42.65,42.13) 42.97,42.45 42.97,42.92 43.16,43.11 48.77,43.11
  L6-SIG w0.33: v1(42.65,42.13) 42.6,42.08 v1(42,42.08)
  BOTTOM w0.229: v1(43.3,41.48) 43.4,41.48 C1009.1 ; 43.29,42.13 v1(43.3,42.13) ; 42.65,42.14 v1(42.65,42.13) 42.05,42.13 v1(42,42.08) 42.54,41.54 C1012.1
  BOTTOM w0.305: v1(42.65,42.13) 42.97,42.46 C1011.1 42.97,42.46 v1(43.3,42.13) 43.3,42.14 C1010.1
  vias: v2(55.13,88.75) v2(55.13,88.19) v2(55.13,87.63) v2(55.13,87.07) v2(55.69,88.75) v2(55.69,88.19) v2(55.69,87.63) v2(55.69,87.07) v2(56.25,88.75) v2(56.25,88.19) v2(56.25,87.63) v2(56.25,87.07) v2(58.2,49.33) v2(58.2,48.77) v2(58.74,49.33) v2(58.74,48.77)
VDD_CPU_LIT_S0_P: length 0.9
  TOP w0.102: R2312.1 v1(55.95,91.42)
VDD_DDR_S0: length 161.8
  TOP w0.102: v1(27.89,99.5) 27.59,99.8 R2318.1 ; U2300.25 36.72,97.66 36.52,97.86 35.84,97.86 34.73,98.98 34.73,99.08 34.62,99.19 32.33,99.19 C2351.2 R2320.2 30.16,100.27 29.72,100.71 v1(28.96,100.71) ; 41.65,40.53 41.05,40.53
  TOP w0.178: v1(41.35,40.83) v1(40.7,40.83) v1(40.05,40.83) v1(39.4,40.83)
  TOP w0.203: v1(41.35,40.83) U1000.2H2 ; v1(40.05,40.83) U1000.2E2 v1(39.4,40.83)
  TOP w0.229: v1(40.7,40.83) U1000.2F3 v1(40.05,40.83) ; v1(40.7,40.83) U1000.2G3 v1(41.35,40.83) U1000.2G2 v1(40.7,40.83)